# KiCad board RP2040-Breadstick.kicad_pcb (continued)
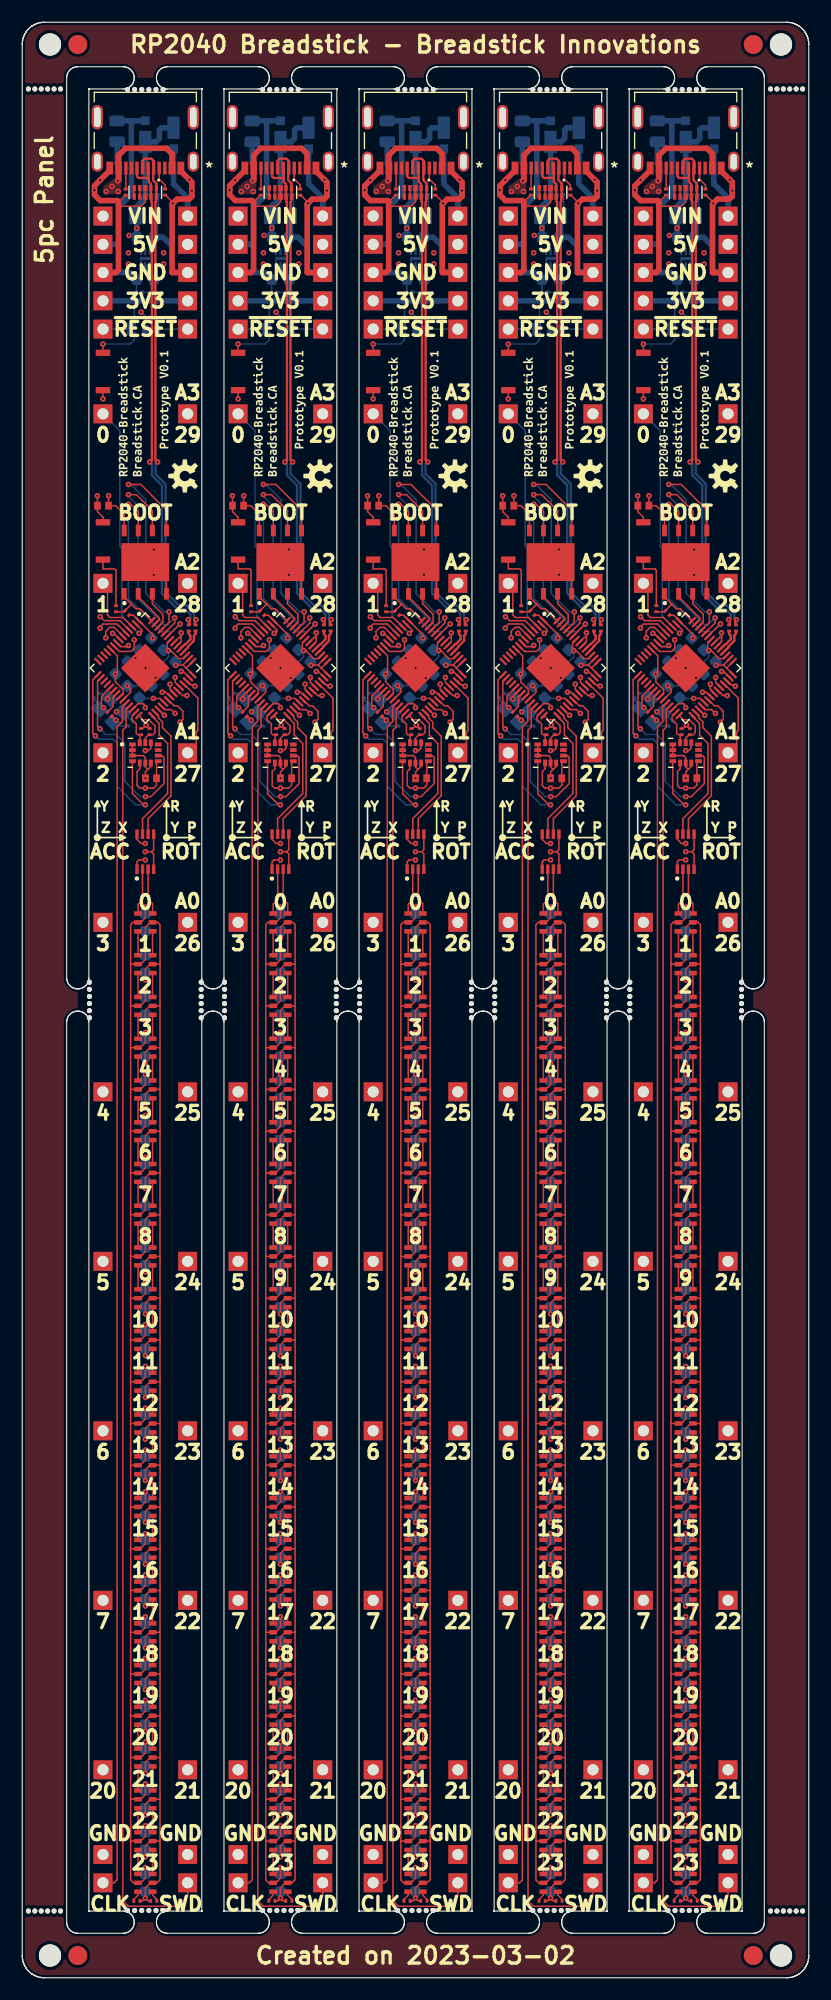
[diagram p0: board, top side]
## Nets (continued)
Board_2-Net-(LED312-Pad6): LED312.6 LED313#5.4
Board_2-Net-(LED313-Pad1): LED313#5.1 LED314#5.3
Board_2-Net-(LED313-Pad6): LED313#5.6 LED314#5.4
Board_2-Net-(LED314-Pad1): LED314#5.1 LED315#2.3
Board_2-Net-(LED314-Pad6): LED314#5.6 LED315#2.4
Board_2-Net-(LED315-Pad1): LED315#2.1 LED316#5.3
Board_2-Net-(LED315-Pad6): LED315#2.6 LED316#5.4
Board_2-Net-(LED316-Pad1): LED316#5.1 LED317#2.3
Board_2-Net-(LED316-Pad6): LED316#5.6 LED317#2.4
Board_2-Net-(LED317-Pad1): LED317#2.1 LED318#5.3
Board_2-Net-(LED317-Pad6): LED317#2.6 LED318#5.4
Board_2-Net-(LED318-Pad1): LED318#5.1 LED319#4.3
Board_2-Net-(LED318-Pad6): LED318#5.6 LED319#4.4
Board_2-Net-(LED319-Pad1): LED319#4.1 LED320.3
Board_2-Net-(LED319-Pad6): LED319#4.6 LED320.4
Board_2-Net-(LED320-Pad1): LED320.1 LED321#2.3
Board_2-Net-(LED320-Pad6): LED320.6 LED321#2.4
Board_2-Net-(LED321-Pad1): LED321#2.1 LED322.3
Board_2-Net-(LED321-Pad6): LED321#2.6 LED322.4
Board_2-Net-(LED322-Pad1): LED322.1 LED323#2.3
Board_2-Net-(LED322-Pad6): LED322.6 LED323#2.4
Board_2-Net-(LED323-Pad1): LED323#2.1 LED324.3
Board_2-Net-(LED323-Pad6): LED323#2.6 LED324.4
Board_2-Net-(LED324-Pad1): LED324.1 R305.1
Board_2-Net-(LED324-Pad6): LED324.6 R304#5.1
Board_2-Net-(R201-Pad2): R201.2 U201#2.21
Board_2-Net-(R204-Pad1): R204#3.1 SW201#2.2
Board_2-Net-(R211-Pad1): R211#3.1 SW202#2.2
Board_2-Net-(U202-Pad4): U202.4 U202.7
Board_2-Net-(U202-Pad5): U202.5 U202.6
Board_2-SWCLK: J223#5.1 U201#2.24
Board_2-SWD: J224#3.1 U201#2.25
Board_2-unconnected-(J221-PadA8): J221#3.A8
Board_2-unconnected-(J221-PadB8): J221#3.B8
Board_2-unconnected-(U201-Pad11): U201#2.11
Board_2-unconnected-(U201-Pad12): U201#2.12
Board_2-unconnected-(U201-Pad13): U201#2.13
Board_2-unconnected-(U201-Pad14): U201#2.14
Board_2-unconnected-(U201-Pad17): U201#2.17
Board_2-unconnected-(U201-Pad18): U201#2.18
Board_2-unconnected-(U401-Pad10): U401#4.10
Board_2-unconnected-(U401-Pad11): U401#4.11
Board_2-VBUS: F501#4.1 J221#3.A4/B9 J221#3.B4/A9
Board_2-VHI: C303#4.1 C304#4.1 C305#5.1 C306.1 C307.1 C308#2.1 C309#4.1 C310#2.1 C311#5.1 C312.1 C313#3.1 C314#5.1 C315#5.1 C316#3.1 C317#5.1 C318#3.1 C319#3.1 C320.1 C321#3.1 C322#5.1 C323#5.1 C324#2.1 C325#5.1 C326#3.1 C501#2.1 C502#3.1 D501#2.1 D502#4.1 IC301#2.1 LED301#4.5 LED302#4.5 LED303#2.5 LED304.5 LED305#3.5 LED306#2.5 LED307#2.5 LED308#4.5 LED309#5.5 LED310#2.5 LED311#2.5 LED312.5 LED313#5.5 LED314#5.5 LED315#2.5 LED316#5.5 LED317#2.5 LED318#5.5 LED319#4.5 LED320.5 LED321#2.5 LED322.5 LED323#2.5 LED324.5 R501.2 U501#2.4 U501#2.5 U501#2.6
Board_2-VIN: D501#2.2 J501#5.1 J502#5.1
Board_3-3V3_LDO: C205#3.1 C206#5.1 C210.1 C211#3.1 C216#2.1 C401.1 C503.1 IC301.8 J507.1 J508#4.1 R205#2.1 R208#4.1 R209#4.2 R210#2.2 R502#2.2 U201.1 U201.10 U201.22 U201.33 U201.42 U201.43 U201.44 U201.48 U201.49 U203#3.8 U401#3.5 U401#3.8 U401#3.12 U501.1 U501.2
Board_3-+1V1: C202#3.1 C204#5.1 U201.23 U201.45 U201.50
Board_3-/Addressable RGB LEDs/CLK: IC301.2 LED301.4
Board_3-/Addressable RGB LEDs/DATA: IC301.3 LED301.3
Board_3-/RP2040/ADC0: J220#2.1 U201.38
Board_3-/RP2040/ADC1: J219.1 U201.39
Board_3-/RP2040/ADC2: J218#3.1 U201.40
Board_3-/RP2040/ADC3: J217.1 U201.41
Board_3-/RP2040/D0: J205#5.1 U201.2
Board_3-/RP2040/D1: J206#4.1 U201.3
Board_3-/RP2040/D2: J207#5.1 U201.4
Board_3-/RP2040/D3: J208#5.1 U201.5
Board_3-/RP2040/D4: J209.1 U201.6
Board_3-/RP2040/D5: J210#4.1 U201.7
Board_3-/RP2040/D6: J211#5.1 U201.8
Board_3-/RP2040/D7: J212#4.1 U201.9
Board_3-/RP2040/D20: J204#3.1 U201.31
Board_3-/RP2040/D21: J203#3.1 U201.32
Board_3-/RP2040/D22: J213#3.1 U201.34
Board_3-/RP2040/D23: J214#2.1 U201.35
Board_3-/RP2040/D24: J215#4.1 U201.36
Board_3-/RP2040/D25: J202.1 U201.37
Board_3-/RP2040/MCU_QSPI_CSN: R204#2.2 R205#2.2 U201.56 U203#3.1
Board_3-/RP2040/MCU_QSPI_SCLK: U201.52 U203#3.6
Board_3-/RP2040/MCU_QSPI_SD0: U201.53 U203#3.5
Board_3-/RP2040/MCU_QSPI_SD1: U201.55 U203#3.2
Board_3-/RP2040/MCU_QSPI_SD2: U201.54 U203#3.3
Board_3-/RP2040/MCU_QSPI_SD3: U201.51 U203#3.7
Board_3-/RP2040/MCU_USB_D+: R203#2.1 U201.47
Board_3-/RP2040/MCU_USB_D-: R202#5.1 U201.46
Board_3-/RP2040/USB_D+: J221#4.A6 J221#4.B6 R203#2.2 U202#3.2 U202#3.9
Board_3-/RP2040/USB_D-: J221#4.A7 J221#4.B7 R202#5.2 U202#3.1 U202#3.10
Board_3-/RP2040/~{RESET}: C207#3.1 J201.1 J222#5.1 R208#4.2 R211#5.2 U201.26
Board_3-GND: C201#5.2 C202#3.2 C203#4.2 C204#5.2 C205#3.2 C206#5.2 C207#3.2 C210.2 C211#3.2 C216#2.2 C303#2.2 C304#3.2 C305#4.2 C306#2.2 C307#4.2 C308.2 C309#5.2 C310#4.2 C311#3.2 C312#2.2 C313.2 C314#2.2 C315#3.2 C316#5.2 C317#2.2 C318#5.2 C319#4.2 C320#4.2 C321#2.2 C322#2.2 C323.2 C324#5.2 C325.2 C326#2.2 C401.2 C501#3.2 C502#2.2 C503.2 IC301.4 IC301.5 J221#4.A1/B12 J221#4.B1/A12 J505#3.1 J506#4.1 J509#4.1 J510#2.1 LED301.2 LED302#2.2 LED303#5.2 LED304#2.2 LED305#2.2 LED306#4.2 LED307#3.2 LED308.2 LED309.2 LED310.2 LED311#3.2 LED312#4.2 LED313#2.2 LED314#2.2 LED315#4.2 LED316#4.2 LED317.2 LED318#4.2 LED319#2.2 LED320#4.2 LED321#5.2 LED322#2.2 LED323#3.2 LED324#2.2 R206#2.2 R207#2.2 R304#3.2 R305#4.2 R501#2.1 R502#2.1 SW201#4.1 SW202#5.1 U201.19 U201.57 U202#3.3 U202#3.8 U203#3.4 U203#3.9 U401#3.1 U401#3.2 U401#3.3 U401#3.6 U401#3.7 U501.3 U501.7 Y201#4.2 Y201#4.4
Board_3-IMU_INT1: U201.15 U401#3.4
Board_3-IMU_INT2: U201.16 U401#3.9
Board_3-IMU_SCL: R210#2.1 U201.28 U401#3.13
Board_3-IMU_SDA: R209#4.1 U201.27 U401#3.14
Board_3-LED_CLK: IC301.7 U201.29
Board_3-LED_DATA: IC301.6 U201.30
Board_3-Net-(C201-Pad1): C201#5.1 U201.20 Y201#4.1
Board_3-Net-(C203-Pad1): C203#4.1 R201#2.1 Y201#4.3
Board_3-Net-(J221-PadA5): J221#4.A5 R207#2.1
Board_3-Net-(J221-PadB5): J221#4.B5 R206#2.1
Board_3-Net-(LED301-Pad1): LED301.1 LED302#2.3
Board_3-Net-(LED301-Pad6): LED301.6 LED302#2.4
Board_3-Net-(LED302-Pad1): LED302#2.1 LED303#5.3
Board_3-Net-(LED302-Pad6): LED302#2.6 LED303#5.4
Board_3-Net-(LED303-Pad1): LED303#5.1 LED304#2.3
Board_3-Net-(LED303-Pad6): LED303#5.6 LED304#2.4
Board_3-Net-(LED304-Pad1): LED304#2.1 LED305#2.3
Board_3-Net-(LED304-Pad6): LED304#2.6 LED305#2.4
Board_3-Net-(LED305-Pad1): LED305#2.1 LED306#4.3
Board_3-Net-(LED305-Pad6): LED305#2.6 LED306#4.4
Board_3-Net-(LED306-Pad1): LED306#4.1 LED307#3.3
Board_3-Net-(LED306-Pad6): LED306#4.6 LED307#3.4
Board_3-Net-(LED307-Pad1): LED307#3.1 LED308.3
Board_3-Net-(LED307-Pad6): LED307#3.6 LED308.4
Board_3-Net-(LED308-Pad1): LED308.1 LED309.3
Board_3-Net-(LED308-Pad6): LED308.6 LED309.4
Board_3-Net-(LED309-Pad1): LED309.1 LED310.3
Board_3-Net-(LED309-Pad6): LED309.6 LED310.4
Board_3-Net-(LED310-Pad1): LED310.1 LED311#3.3
Board_3-Net-(LED310-Pad6): LED310.6 LED311#3.4
Board_3-Net-(LED311-Pad1): LED311#3.1 LED312#4.3
Board_3-Net-(LED311-Pad6): LED311#3.6 LED312#4.4
Board_3-Net-(LED312-Pad1): LED312#4.1 LED313#2.3
Board_3-Net-(LED312-Pad6): LED312#4.6 LED313#2.4
Board_3-Net-(LED313-Pad1): LED313#2.1 LED314#2.3
Board_3-Net-(LED313-Pad6): LED313#2.6 LED314#2.4
Board_3-Net-(LED314-Pad1): LED314#2.1 LED315#4.3
Board_3-Net-(LED314-Pad6): LED314#2.6 LED315#4.4
Board_3-Net-(LED315-Pad1): LED315#4.1 LED316#4.3
Board_3-Net-(LED315-Pad6): LED315#4.6 LED316#4.4
Board_3-Net-(LED316-Pad1): LED316#4.1 LED317.3
Board_3-Net-(LED316-Pad6): LED316#4.6 LED317.4
Board_3-Net-(LED317-Pad1): LED317.1 LED318#4.3
Board_3-Net-(LED317-Pad6): LED317.6 LED318#4.4
Board_3-Net-(LED318-Pad1): LED318#4.1 LED319#2.3
Board_3-Net-(LED318-Pad6): LED318#4.6 LED319#2.4
Board_3-Net-(LED319-Pad1): LED319#2.1 LED320#4.3
Board_3-Net-(LED319-Pad6): LED319#2.6 LED320#4.4
Board_3-Net-(LED320-Pad1): LED320#4.1 LED321#5.3
Board_3-Net-(LED320-Pad6): LED320#4.6 LED321#5.4
Board_3-Net-(LED321-Pad1): LED321#5.1 LED322#2.3
Board_3-Net-(LED321-Pad6): LED321#5.6 LED322#2.4
Board_3-Net-(LED322-Pad1): LED322#2.1 LED323#3.3
Board_3-Net-(LED322-Pad6): LED322#2.6 LED323#3.4
Board_3-Net-(LED323-Pad1): LED323#3.1 LED324#2.3
Board_3-Net-(LED323-Pad6): LED323#3.6 LED324#2.4
Board_3-Net-(LED324-Pad1): LED324#2.1 R305#4.1
Board_3-Net-(LED324-Pad6): LED324#2.6 R304#3.1
Board_3-Net-(R201-Pad2): R201#2.2 U201.21
Board_3-Net-(R204-Pad1): R204#2.1 SW201#4.2
Board_3-Net-(R211-Pad1): R211#5.1 SW202#5.2
Board_3-Net-(U202-Pad4): U202#3.4 U202#3.7
Board_3-Net-(U202-Pad5): U202#3.5 U202#3.6
Board_3-SWCLK: J223#4.1 U201.24
Board_3-SWD: J224#5.1 U201.25
Board_3-unconnected-(J221-PadA8): J221#4.A8
Board_3-unconnected-(J221-PadB8): J221#4.B8
Board_3-unconnected-(U201-Pad11): U201.11
Board_3-unconnected-(U201-Pad12): U201.12
Board_3-unconnected-(U201-Pad13): U201.13
Board_3-unconnected-(U201-Pad14): U201.14
Board_3-unconnected-(U201-Pad17): U201.17
Board_3-unconnected-(U201-Pad18): U201.18
Board_3-unconnected-(U401-Pad10): U401#3.10
Board_3-unconnected-(U401-Pad11): U401#3.11
Board_3-VBUS: F501#5.1 J221#4.A4/B9 J221#4.B4/A9
Board_3-VHI: C303#2.1 C304#3.1 C305#4.1 C306#2.1 C307#4.1 C308.1 C309#5.1 C310#4.1 C311#3.1 C312#2.1 C313.1 C314#2.1 C315#3.1 C316#5.1 C317#2.1 C318#5.1 C319#4.1 C320#4.1 C321#2.1 C322#2.1 C323.1 C324#5.1 C325.1 C326#2.1 C501#3.1 C502#2.1 D501#3.1 D502.1 IC301.1 LED301.5 LED302#2.5 LED303#5.5 LED304#2.5 LED305#2.5 LED306#4.5 LED307#3.5 LED308.5 LED309.5 LED310.5 LED311#3.5 LED312#4.5 LED313#2.5 LED314#2.5 LED315#4.5 LED316#4.5 LED317.5 LED318#4.5 LED319#2.5 LED320#4.5 LED321#5.5 LED322#2.5 LED323#3.5 LED324#2.5 R501#2.2 U501.4 U501.5 U501.6
Board_3-VIN: D501#3.2 J501#2.1 J502#3.1
Board_4-3V3_LDO: C205#2.1 C206.1 C210#3.1 C211#4.1 C216#5.1 C401#5.1 C503#4.1 IC301#4.8 J507#5.1 J508#2.1 R205#4.1 R208#5.1 R209.2 R210#4.2 R502#3.2 U201#4.1 U201#4.10 U201#4.22 U201#4.33 U201#4.42 U201#4.43 U201#4.44 U201#4.48 U201#4.49 U203#5.8 U401#2.5 U401#2.8 U401#2.12 U501#5.1 U501#5.2
Board_4-+1V1: C202#4.1 C204#4.1 U201#4.23 U201#4.45 U201#4.50
Board_4-/Addressable RGB LEDs/CLK: IC301#4.2 LED301#2.4
Board_4-/Addressable RGB LEDs/DATA: IC301#4.3 LED301#2.3
Board_4-/RP2040/ADC0: J220#5.1 U201#4.38
Board_4-/RP2040/ADC1: J219#2.1 U201#4.39
Board_4-/RP2040/ADC2: J218#4.1 U201#4.40
Board_4-/RP2040/ADC3: J217#4.1 U201#4.41
Board_4-/RP2040/D0: J205#3.1 U201#4.2
Board_4-/RP2040/D1: J206#5.1 U201#4.3
Board_4-/RP2040/D2: J207#3.1 U201#4.4
Board_4-/RP2040/D3: J208#2.1 U201#4.5
Board_4-/RP2040/D4: J209#3.1 U201#4.6
Board_4-/RP2040/D5: J210#2.1 U201#4.7
Board_4-/RP2040/D6: J211#2.1 U201#4.8
Board_4-/RP2040/D7: J212#2.1 U201#4.9
Board_4-/RP2040/D20: J204#2.1 U201#4.31
Board_4-/RP2040/D21: J203.1 U201#4.32
Board_4-/RP2040/D22: J213#2.1 U201#4.34
Board_4-/RP2040/D23: J214#3.1 U201#4.35
Board_4-/RP2040/D24: J215#3.1 U201#4.36
Board_4-/RP2040/D25: J202#2.1 U201#4.37
Board_4-/RP2040/MCU_QSPI_CSN: R204#5.2 R205#4.2 U201#4.56 U203#5.1
Board_4-/RP2040/MCU_QSPI_SCLK: U201#4.52 U203#5.6
Board_4-/RP2040/MCU_QSPI_SD0: U201#4.53 U203#5.5
Board_4-/RP2040/MCU_QSPI_SD1: U201#4.55 U203#5.2
Board_4-/RP2040/MCU_QSPI_SD2: U201#4.54 U203#5.3
Board_4-/RP2040/MCU_QSPI_SD3: U201#4.51 U203#5.7
Board_4-/RP2040/MCU_USB_D+: R203#4.1 U201#4.47
Board_4-/RP2040/MCU_USB_D-: R202.1 U201#4.46
Board_4-/RP2040/USB_D+: J221#5.A6 J221#5.B6 R203#4.2 U202#5.2 U202#5.9
Board_4-/RP2040/USB_D-: J221#5.A7 J221#5.B7 R202.2 U202#5.1 U202#5.10
Board_4-/RP2040/~{RESET}: C207.1 J201#2.1 J222#2.1 R208#5.2 R211#4.2 U201#4.26
Board_4-GND: C201#4.2 C202#4.2 C203#2.2 C204#4.2 C205#2.2 C206.2 C207.2 C210#3.2 C211#4.2 C216#5.2 C303.2 C304#2.2 C305#3.2 C306#5.2 C307#2.2 C308#4.2 C309.2 C310.2 C311.2 C312#5.2 C313#2.2 C314#3.2 C315#4.2 C316.2 C317#3.2 C318#2.2 C319.2 C320#2.2 C321#4.2 C322#4.2 C323#4.2 C324#4.2 C325#2.2 C326.2 C401#5.2 C501#4.2 C502.2 C503#4.2 IC301#4.4 IC301#4.5 J221#5.A1/B12 J221#5.B1/A12 J505#2.1 J506#2.1 J509#3.1 J510#5.1 LED301#2.2 LED302.2 LED303#4.2 LED304#3.2 LED305#5.2 LED306#5.2 LED307#5.2 LED308#5.2 LED309#2.2 LED310#5.2 LED311#4.2 LED312#3.2 LED313#3.2 LED314.2 LED315#3.2 LED316#3.2 LED317#5.2 LED318.2 LED319#5.2 LED320#2.2 LED321.2 LED322#3.2 LED323#5.2 LED324#5.2 R206#5.2 R207#4.2 R304#4.2 R305#5.2 R501#3.1 R502#3.1 SW201#5.1 SW202.1 U201#4.19 U201#4.57 U202#5.3 U202#5.8 U203#5.4 U203#5.9 U401#2.1 U401#2.2 U401#2.3 U401#2.6 U401#2.7 U501#5.3 U501#5.7 Y201#2.2 Y201#2.4
Board_4-IMU_INT1: U201#4.15 U401#2.4
Board_4-IMU_INT2: U201#4.16 U401#2.9
Board_4-IMU_SCL: R210#4.1 U201#4.28 U401#2.13
Board_4-IMU_SDA: R209.1 U201#4.27 U401#2.14
Board_4-LED_CLK: IC301#4.7 U201#4.29
Board_4-LED_DATA: IC301#4.6 U201#4.30
Board_4-Net-(C201-Pad1): C201#4.1 U201#4.20 Y201#2.1
Board_4-Net-(C203-Pad1): C203#2.1 R201#5.1 Y201#2.3
Board_4-Net-(J221-PadA5): J221#5.A5 R207#4.1
Board_4-Net-(J221-PadB5): J221#5.B5 R206#5.1
Board_4-Net-(LED301-Pad1): LED301#2.1 LED302.3
Board_4-Net-(LED301-Pad6): LED301#2.6 LED302.4
Board_4-Net-(LED302-Pad1): LED302.1 LED303#4.3
Board_4-Net-(LED302-Pad6): LED302.6 LED303#4.4
Board_4-Net-(LED303-Pad1): LED303#4.1 LED304#3.3
Board_4-Net-(LED303-Pad6): LED303#4.6 LED304#3.4
Board_4-Net-(LED304-Pad1): LED304#3.1 LED305#5.3
Board_4-Net-(LED304-Pad6): LED304#3.6 LED305#5.4
Board_4-Net-(LED305-Pad1): LED305#5.1 LED306#5.3
Board_4-Net-(LED305-Pad6): LED305#5.6 LED306#5.4
Board_4-Net-(LED306-Pad1): LED306#5.1 LED307#5.3
Board_4-Net-(LED306-Pad6): LED306#5.6 LED307#5.4
Board_4-Net-(LED307-Pad1): LED307#5.1 LED308#5.3
Board_4-Net-(LED307-Pad6): LED307#5.6 LED308#5.4
Board_4-Net-(LED308-Pad1): LED308#5.1 LED309#2.3
Board_4-Net-(LED308-Pad6): LED308#5.6 LED309#2.4
Board_4-Net-(LED309-Pad1): LED309#2.1 LED310#5.3
Board_4-Net-(LED309-Pad6): LED309#2.6 LED310#5.4
Board_4-Net-(LED310-Pad1): LED310#5.1 LED311#4.3
Board_4-Net-(LED310-Pad6): LED310#5.6 LED311#4.4
Board_4-Net-(LED311-Pad1): LED311#4.1 LED312#3.3
Board_4-Net-(LED311-Pad6): LED311#4.6 LED312#3.4
Board_4-Net-(LED312-Pad1): LED312#3.1 LED313#3.3
Board_4-Net-(LED312-Pad6): LED312#3.6 LED313#3.4
Board_4-Net-(LED313-Pad1): LED313#3.1 LED314.3
Board_4-Net-(LED313-Pad6): LED313#3.6 LED314.4
Board_4-Net-(LED314-Pad1): LED314.1 LED315#3.3
Board_4-Net-(LED314-Pad6): LED314.6 LED315#3.4
Board_4-Net-(LED315-Pad1): LED315#3.1 LED316#3.3
Board_4-Net-(LED315-Pad6): LED315#3.6 LED316#3.4
Board_4-Net-(LED316-Pad1): LED316#3.1 LED317#5.3
Board_4-Net-(LED316-Pad6): LED316#3.6 LED317#5.4
Board_4-Net-(LED317-Pad1): LED317#5.1 LED318.3
Board_4-Net-(LED317-Pad6): LED317#5.6 LED318.4
Board_4-Net-(LED318-Pad1): LED318.1 LED319#5.3
Board_4-Net-(LED318-Pad6): LED318.6 LED319#5.4
Board_4-Net-(LED319-Pad1): LED319#5.1 LED320#2.3
Board_4-Net-(LED319-Pad6): LED319#5.6 LED320#2.4
Board_4-Net-(LED320-Pad1): LED320#2.1 LED321.3
Board_4-Net-(LED320-Pad6): LED320#2.6 LED321.4
Board_4-Net-(LED321-Pad1): LED321.1 LED322#3.3
Board_4-Net-(LED321-Pad6): LED321.6 LED322#3.4
Board_4-Net-(LED322-Pad1): LED322#3.1 LED323#5.3
Board_4-Net-(LED322-Pad6): LED322#3.6 LED323#5.4
Board_4-Net-(LED323-Pad1): LED323#5.1 LED324#5.3
Board_4-Net-(LED323-Pad6): LED323#5.6 LED324#5.4
Board_4-Net-(LED324-Pad1): LED324#5.1 R305#5.1
Board_4-Net-(LED324-Pad6): LED324#5.6 R304#4.1
Board_4-Net-(R201-Pad2): R201#5.2 U201#4.21
Board_4-Net-(R204-Pad1): R204#5.1 SW201#5.2
Board_4-Net-(R211-Pad1): R211#4.1 SW202.2
Board_4-Net-(U202-Pad4): U202#5.4 U202#5.7
Board_4-Net-(U202-Pad5): U202#5.5 U202#5.6
Board_4-SWCLK: J223#3.1 U201#4.24
Board_4-SWD: J224#2.1 U201#4.25
Board_4-unconnected-(J221-PadA8): J221#5.A8
Board_4-unconnected-(J221-PadB8): J221#5.B8
Board_4-unconnected-(U201-Pad11): U201#4.11
Board_4-unconnected-(U201-Pad12): U201#4.12
Board_4-unconnected-(U201-Pad13): U201#4.13
Board_4-unconnected-(U201-Pad14): U201#4.14
Board_4-unconnected-(U201-Pad17): U201#4.17
Board_4-unconnected-(U201-Pad18): U201#4.18
Board_4-unconnected-(U401-Pad10): U401#2.10
Board_4-unconnected-(U401-Pad11): U401#2.11
Board_4-VBUS: F501#2.1 J221#5.A4/B9 J221#5.B4/A9
Board_4-VHI: C303.1 C304#2.1 C305#3.1 C306#5.1 C307#2.1 C308#4.1 C309.1 C310.1 C311.1 C312#5.1 C313#2.1 C314#3.1 C315#4.1 C316.1 C317#3.1 C318#2.1 C319.1 C320#2.1 C321#4.1 C322#4.1 C323#4.1 C324#4.1 C325#2.1 C326.1 C501#4.1 C502.1 D501.1 D502#3.1 IC301#4.1 LED301#2.5 LED302.5 LED303#4.5 LED304#3.5 LED305#5.5 LED306#5.5 LED307#5.5 LED308#5.5 LED309#2.5 LED310#5.5 LED311#4.5 LED312#3.5 LED313#3.5 LED314.5 LED315#3.5 LED316#3.5 LED317#5.5 LED318.5 LED319#5.5 LED320#2.5 LED321.5 LED322#3.5 LED323#5.5 LED324#5.5 R501#3.2 U501#5.4 U501#5.5 U501#5.6
Board_4-VIN: D501.2 J501#4.1 J502#4.1

Pads without a net: J221 13 14 15 16; J221#2 13 14 15 16; J221#3 13 14 15 16; J221#4 13 14 15 16; J221#5 13 14 15 16

## Via types
v1: diameter 0.5, hole 0.2, L1_SIG.Cu to L8_SIG.Cu, 610 vias

## Routing (per net, layer and track width the routed paths; a pad name or vN(x,y) marks a point on that pad's centre or on a via; arc(x,y) is an arc through that point)
Board_0-/Power/5V4A: length 23
  L3_SIG.Cu w0.5: J504#5.1 J503.1
  L8_SIG.Cu w0.5: J504#5.1 8.44,155.86 8.67,156.09 8.67,159.21 9.83,160.38 9.83,166.96 ; 9.83,166.96 11.07,166.96 D502#2.2 ; 9.83,166.96 F501.2
Board_1-/Power/5V4A: length 23
  L3_SIG.Cu w0.5: J504#4.1 J503#4.1
  L8_SIG.Cu w0.5: J504#4.1 20.6,155.86 20.83,156.09 20.83,159.21 21.99,160.38 21.99,166.96 ; 21.99,166.96 23.23,166.96 D502#5.2 ; 21.99,166.96 F501#3.2
Board_2-/Power/5V4A: length 23
  L3_SIG.Cu w0.5: J504#3.1 J503#5.1
  L8_SIG.Cu w0.5: J504#3.1 32.76,155.86 32.99,156.09 32.99,159.21 34.15,160.38 34.15,166.96 ; 34.15,166.96 35.39,166.96 D502#4.2 ; 34.15,166.96 F501#4.2
Board_3-/Power/5V4A: length 23
  L3_SIG.Cu w0.5: J504.1 J503#3.1
  L8_SIG.Cu w0.5: J504.1 44.92,155.86 45.15,156.09 45.15,159.21 46.31,160.38 46.31,166.96 ; 46.31,166.96 47.55,166.96 D502.2 ; 46.31,166.96 F501#5.2
Board_4-/Power/5V4A: length 23
  L3_SIG.Cu w0.5: J504#2.1 J503#2.1
  L8_SIG.Cu w0.5: J504#2.1 57.08,155.86 57.31,156.09 57.31,159.21 58.47,160.38 58.47,166.96 ; 58.47,166.96 59.71,166.96 D502#3.2 ; 58.47,166.96 F501#2.2
Board_0-3V3_LDO: length 53.3
  L1_SIG.Cu w0.127: U401.8 12.09,109.24 C401#3.1 12.09,107.24 11.82,106.97 v1(11.08,106.97) 10.57,106.97 10.34,107.19 10.34,108.46 10.58,108.7 U401.5 ; 14.31,120.53 14.13,120.53 U201#3.49 ; 14.31,120.53 14.31,120.14 U201#3.48 ; 14.31,120.53 v1(14.31,120.94) ; U401.12 11.58,110.56 11.36,110.34 v1(11.08,110.34) ; R205#3.1 10,122.52 U201#3.1 11.74,120.78 v1(11.74,120.45) ; 14.76,117.76 14.5,118.01 14.45,118.01 ; 14.76,117.76 14.76,117.76 U201#3.43 ; 14.76,117.76 U201#3.42 ; U203#2.8 9.17,131.6 8.41,132.37 C216#4.1 7.77,133.25 v1(7.78,133.25) ; U201#3.10 8.57,118.86 8.57,117.4 v1(8.39,117.23) 8.39,116.52 9.09,115.82 9.09,115.49 U201#3.22 ; R210#5.2 11.46,112.33 v1(11.15,112.64) 10.83,112.32 R209#5.2 ; v1(11.08,101.99) 10.7,101.99 10.33,102.36 IC301#5.8 ; v1(11.8,115.03) 12.4,115.03 U201#3.33 ; 14.45,118.01 U201#3.44 ; 14.45,118.01 v1(13.82,118.01)
  L3_SIG.Cu w0.5: J508#3.1 J507#3.1
  L8_SIG.Cu w0.127: v1(8.39,117.23) 8.4,117.24 C210#5.1 ; v1(11.8,115.03) 10.6,115.03 C206#2.1 ; 10.06,150.78 10.08,150.76 R208#3.1 ; C211#5.1 13.82,118.28 v1(13.82,118.01) ; R502.2 11.84,151.54
  L8_SIG.Cu w0.15: 11.48,153.33 11.86,152.95 C503#2.1
  L8_SIG.Cu w0.203: U501#4.2 11.08,153.47 11.23,153.33 11.48,153.33 U501#4.1
  L8_SIG.Cu w0.5: 11.74,150.78 J507#3.1 ; 11.74,150.78 J508#3.1 ; 11.74,150.78 11.87,150.91 11.87,152.67
Board_0-+1V1: length 10.2
  L1_SIG.Cu w0.127: U201#3.23 9.76,115.59 9.76,115.88 v1(9.46,116.18) ; U201#3.45 14.48,118.61 14.09,118.61 13.37,119.33 v1(13.16,119.33) 13.06,119.44 13.06,120.02 U201#3.50
  L8_SIG.Cu w0.127: v1(13.16,119.33) 13.16,118.76 10.58,116.18 v1(9.46,116.18)
Board_0-/Addressable RGB LEDs/CLK: length 4.1
  L1_SIG.Cu w0.127: IC301#5.2 10.83,96.94 10.43,96.54 LED301#3.4
Board_0-/Addressable RGB LEDs/DATA: length 4.1
  L1_SIG.Cu w0.127: IC301#5.3 11.33,96.99 11.73,96.59 LED301#3.3
Board_0-/RP2040/ADC0: length 26.2
  L1_SIG.Cu w0.127: U201#3.38 13.77,116.48 v1(13.77,116.92)
  L3_SIG.Cu w0.127: J220.1 14.89,107.85 13.77,108.97 13.77,111.27 15.36,111.27 15.8,111.71 15.8,115.02 13.9,116.92 v1(13.77,116.92)
Board_0-/RP2040/ADC1: length 7.1
  L1_SIG.Cu w0.127: J219#3.1 15.67,110.92 15.67,112.01 15.8,112.15 15.8,115.07 14.55,116.32 U201#3.39
Board_0-/RP2040/ADC2: length 12.9
  L1_SIG.Cu w0.127: U201#3.40 14.84,116.6 15.19,116.25 15.3,116.25 15.42,116.13 v1(15.55,116.13)
  L3_SIG.Cu w0.127: v1(15.55,116.13) 15.55,118.91 12.68,121.78 12.68,124.11 13.95,125.38 J218#2.1
Board_0-/RP2040/ADC3: length 26.9
  L1_SIG.Cu w0.127: U201#3.41 14.5,117.46 v1(14.31,117.46)
  L3_SIG.Cu w0.127: v1(14.31,117.46) 14.66,117.81 14.66,118.62 11.66,121.62 11.66,124.45 13.19,125.98 13.19,128.07 14.89,129.77 J217#2.1
Board_0-/RP2040/D0: length 22.3
  L1_SIG.Cu w0.127: v1(10.52,120.88) 10.6,120.88 10.78,121.06 10.78,121.18 U201#3.2
  L8_SIG.Cu w0.127: v1(10.52,120.88) 8.97,122.43 8.97,128.53 8.79,128.71 8.79,139.1 J205#4.1
Board_0-/RP2040/D1: length 5.7
  L1_SIG.Cu w0.127: J206.1 7.68,124.97 7.68,122.54 7.9,122.31 9.08,122.31 U201#3.3
Board_0-/RP2040/D2: length 16.5
  L1_SIG.Cu w0.127: U201#3.4 8.79,122.03 7.37,122.03 v1(7.02,122.38)
  L3_SIG.Cu w0.127: v1(7.02,122.38) 6.38,121.74 6.38,113.26 6.71,112.93 7.14,112.93 7.54,112.53 7.54,111.43 7.27,111.16 J207#2.1
Board_0-/RP2040/D3: length 30.6
  L1_SIG.Cu w0.127: v1(7.01,121.35) 7.01,121.46 7.27,121.72 8.53,121.72 U201#3.5
  L3_SIG.Cu w0.127: v1(7.01,121.35) 6.99,121.33 6.99,114.94 6.81,114.76 6.81,114.03 8.4,112.44 8.4,108.93 7.27,107.8 J208.1
Board_0-/RP2040/D4: length 44.8
  L1_SIG.Cu w0.127: U201#3.6 8.27,121.42 7.88,121.42 7.52,121.06 v1(7.52,120.48)
  L3_SIG.Cu w0.127: J209#4.1 7.27,92.33 8.4,93.46 8.4,108.2 8.86,108.66 8.86,112.5 9.02,112.66 9.02,114.39 7.52,115.89 v1(7.52,120.48)
Board_0-/RP2040/D5: length 59
  L1_SIG.Cu w0.127: v1(8.13,120.88) 8.24,120.88 U201#3.7
  L3_SIG.Cu w0.127: v1(8.13,120.88) 8.13,117.89 7.88,117.63 7.88,116.98 9.39,115.47 9.39,112.25 9.32,112.18 9.32,108.31 8.99,107.98 8.99,92.85 8.41,92.27 8.41,78.22 7.27,77.08 J210#3.1
Board_0-/RP2040/D6: length 73.9
  L1_SIG.Cu w0.127: v1(9.56,119.79) 9.45,119.69 8.87,119.69 U201#3.8
  L3_SIG.Cu w0.127: v1(9.56,119.79) 9.2,119.79 8.92,119.51 8.92,117.72 9.98,116.66 9.98,114.03 9.79,113.84 9.79,112.07 9.73,112.01 9.73,108.08 9.58,107.93 9.58,92.21 9.06,91.69 9.06,63.31 7.27,61.52 J211.1
Board_0-/RP2040/D7: length 91.4
  L1_SIG.Cu w0.127: v1(10.09,120.3) 10.09,119.54 9.81,119.26 8.73,119.26 U201#3.9
  L3_SIG.Cu w0.127: v1(10.09,120.3) 10.09,119.33 9.69,118.93 9.69,118.17 10.75,117.11 10.75,114.79 10.41,114.45 10.41,113.42 10.18,113.19 10.18,107.8 10.06,107.68 10.06,91.44 9.82,91.2 9.82,62.09 8.6,60.87 8.6,44.1 7.27,42.77 J212#3.1
Board_0-/RP2040/D20: length 98.8
  L1_SIG.Cu w0.127: v1(12.79,113.52) 12.77,113.52 U201#3.31
  L3_SIG.Cu w0.127: v1(12.79,113.52) 11.27,113.52 10.59,112.84 10.59,61.15 9.85,60.41 9.85,32.49 7.27,29.91 J204#5.1
Board_0-/RP2040/D21: length 99.2
  L1_SIG.Cu w0.127: U201#3.32 12.83,114.03 13.42,114.03 13.75,113.69 v1(13.76,113.69)
  L3_SIG.Cu w0.127: v1(13.76,113.69) 13.56,113.49 13.56,113.17 13.39,113 12.59,113 11.59,112 11.59,61.15 12.34,60.4 12.34,32.39 14.89,29.84 J203#4.1
Board_0-/RP2040/D22: length 84.5
  L1_SIG.Cu w0.127: v1(14.2,112.89) 14.46,113.15 14.46,113.88 13.97,114.37 13.67,114.37 13.13,114.91 U201#3.34
  L3_SIG.Cu w0.127: v1(14.2,112.89) 13.92,112.61 12.85,112.61 12.06,111.82 12.06,107.82 12.14,107.74 12.14,91.48 12.37,91.25 12.37,62.28 13.59,61.06 13.59,44.18 14.83,42.94 14.83,34 J213#4.1
Board_0-/RP2040/D23: length 71.1
  L1_SIG.Cu w0.127: U201#3.35 13.31,115.19 12.91,115.59 v1(12.6,115.59)
  L3_SIG.Cu w0.127: v1(12.6,115.59) 12.92,115.59 14.72,113.79 14.72,112.48 14.48,112.24 13.06,112.24 12.52,111.7 12.52,108.08 12.66,107.94 12.66,92.01 13.11,91.56 13.11,63.31 14.89,61.53 J214#4.1
Board_0-/RP2040/D24: length 56.2
  L1_SIG.Cu w0.127: U201#3.36 13.65,115.52 13.3,115.87 v1(13.3,116.31)
  L3_SIG.Cu w0.127: v1(13.3,116.31) 13.3,115.87 15.09,114.08 15.09,112.19 14.81,111.92 13.26,111.92 12.94,111.6 12.94,108.31 13.2,108.05 13.2,92.71 13.76,92.15 13.76,78.12 14.89,76.99 J215#5.1
Board_0-/RP2040/D25: length 39.4
  L1_SIG.Cu w0.127: v1(14.82,115.29) 14.45,115.29 13.98,115.76 U201#3.37
  L3_SIG.Cu w0.127: v1(14.82,115.29) 15.44,114.67 15.44,111.95 15.12,111.63 13.54,111.63 13.35,111.44 13.35,108.69 13.77,108.27 13.77,93.35 14.89,92.23 J202#5.1
Board_0-/RP2040/MCU_QSPI_CSN: length 5.4
  L1_SIG.Cu w0.127: 9.8,123.54 10.24,123.09 10.6,123.09 U201#3.56 ; 9.8,123.54 9.8,123.47 R205#3.2 9.15,122.82 R204#4.2 ; 9.8,123.54 9.17,124.16 U203#2.1
Board_0-/RP2040/MCU_QSPI_SCLK: length 20.6
  L1_SIG.Cu w0.127: v1(13.72,122.28) 13.72,121.82 U201#3.52 ; U203#2.6 11.72,131.91 10.27,133.36 v1(9.56,133.36)
  L8_SIG.Cu w0.127: v1(13.72,122.28) 13.06,121.62 12.81,121.62 10.42,124.01 10.42,132.34 9.56,133.2 v1(9.56,133.36)
Board_0-/RP2040/MCU_QSPI_SD0: length 21.5
  L1_SIG.Cu w0.127: U203#2.5 12.98,131.96 10.67,134.27 v1(9.56,134.27) ; v1(13.21,122.81) 13.21,121.87 U201#3.53
  L8_SIG.Cu w0.127: v1(9.56,134.27) 9.76,134.27 11.13,132.9 11.13,124.47 12.78,122.81 v1(13.21,122.81)
Board_0-/RP2040/MCU_QSPI_SD1: length 3.6
  L1_SIG.Cu w0.127: U201#3.55 12.35,122.14 12.35,122.26 10.44,124.16 U203#2.2
Board_0-/RP2040/MCU_QSPI_SD2: length 3.5
  L1_SIG.Cu w0.127: U203#2.3 11.72,123.55 12.66,122.6 12.66,121.89 U201#3.54
Board_0-/RP2040/MCU_QSPI_SD3: length 19.1
  L1_SIG.Cu w0.127: v1(9.56,132.49) 9.76,132.49 10.44,131.81 U203#2.7 ; v1(14.2,121.72) 14.19,121.72 U201#3.51
  L8_SIG.Cu w0.127: v1(14.2,121.72) 13.52,121.04 12.53,121.04 9.56,124.01 v1(9.56,132.49)
